# Altium PCB WhiteRHINO_0v1.PcbDoc (part 5 of 10) (continued)
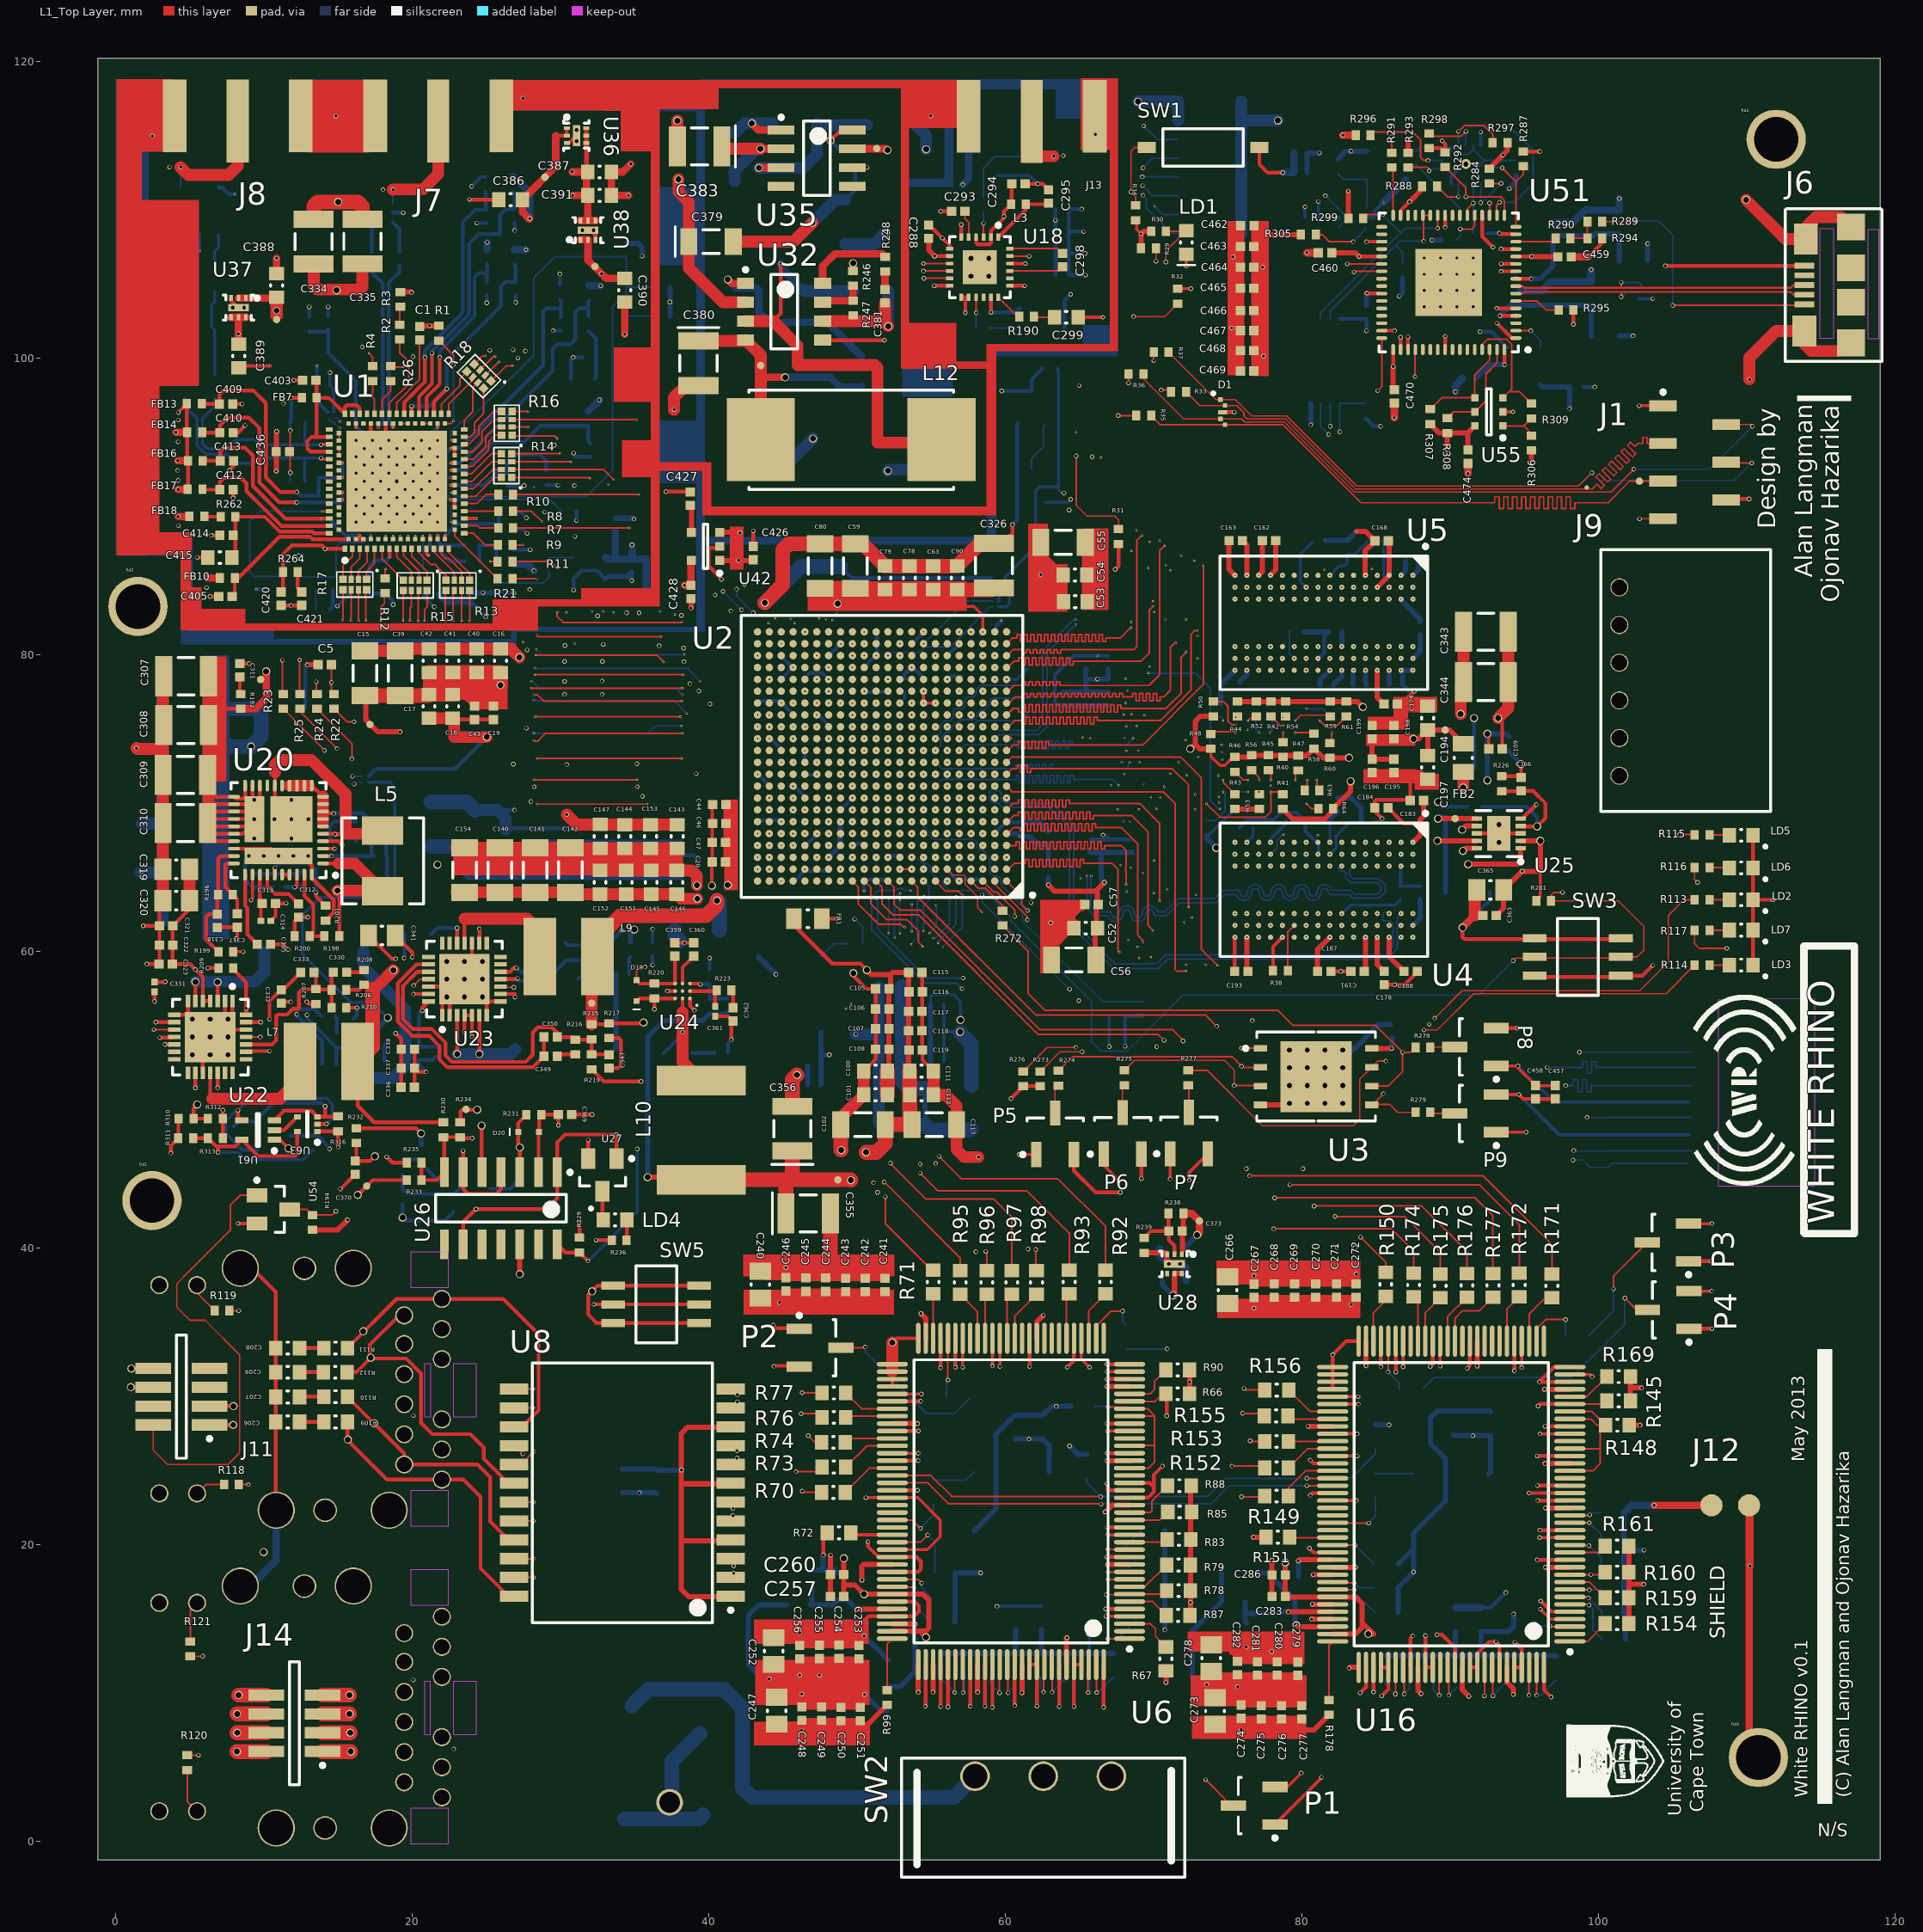
[diagram p0: L1_Top Layer view]
## Nets (pads, with @x,y where several pads share a name; then routed paths per layer and width w, separated by ;. In a path a pad name is that pad's centre, name@x,y a point inside that pad or via, vN(x,y) a via of type N, cw(c..) or ccw(c..) an arc to the next point about the centre after c; other vN are vias at no path point) (continued)
  L9_Critical w0.115: v1(51.304,68.714) 51.7,68.318 51.7,64 v1(52.15,63.55)
  L12_Bottom Layer w0.115: v1(52.15,61.2) v1(52.15,63.55)
ETH1_RXD3: R98.1 U2.A13 | length 37.9
  L1_Top Layer w0.115: U2.A13@50.504,64.714 50.95,64.268 50.95,63.175 52.005,62.12 53.375,62.12 54.17,61.326 54.17,60.575 v1(54.443,60.302) ; v2(62.075,39.875) 62.075,38.5 R98.1@62.125,38.45
  L9_Critical w0.115: v1(54.443,60.302) 54.8,59.945 54.8,59.093 55,59.093 55,58.777 54.6,58.777 54.6,58.462 55,58.462 55,58.147 54.6,58.147 54.6,57.832 55,57.832 55,57.517 54.6,57.517 54.6,57.202 55,57.202 55,56.887 54.6,56.887 54.6,56.572 55,56.572 55,56.257 54.8,56.257 54.8,45.35 56.638,43.513 60.813,43.513 62.075,42.25 v2(62.075,39.875)
ETH1_TXCLK: R70.1 U2.D6 | length 50.3
  L1_Top Layer w0.115: v2(46.318,23.583) 46.4,23.5 R70.1@47.625,23.5
  L3_Critical w0.115: v1(56.104,67.114) 56.5,66.718 56.5,63.9 v1(56.7,63.7)
  L4_Critical w0.115: v2(46.318,23.583) 46.318,28 45.843,28.475 45.843,35.293 56.075,45.525 56.075,58.95 55.43,59.595 55.43,60.48 v1(55.488,60.538)
  L12_Bottom Layer w0.115: v1(55.488,60.538) 55.488,60.613 56.7,61.825 v1(56.7,63.7)
ETH1_TXCTL: R71.1 U2.F11 | length 50
  L1_Top Layer w0.115: v2(51.925,43.425) 51.925,41.625 R71.1@55.15,38.4
  L4_Critical w0.115: v2(51.925,43.425) 52.7,44.2 52.7,45.642 52.9,45.642 52.9,45.957 52.7,45.957 52.7,46.272 52.9,46.272 52.9,46.587 52.5,46.587 52.5,46.902 52.9,46.902 52.9,47.217 52.5,47.217 52.5,47.532 52.9,47.532 52.9,47.847 52.5,47.847 52.5,48.162 52.9,48.162 52.9,48.477 52.5,48.477 52.5,48.792 52.9,48.792 52.9,49.107 52.5,49.107 52.5,49.422 52.9,49.422 52.9,49.737 52.5,49.737 52.5,50.052 52.9,50.052 52.9,50.367 52.5,50.367 52.5,50.682 52.9,50.682 52.9,50.997 52.5,50.997 52.5,51.312 52.9,51.312 52.9,51.627 52.5,51.627 52.5,51.942 52.9,51.942 52.9,52.257 52.5,52.257 52.5,52.572 52.9,52.572 52.9,52.887 52.5,52.887 52.5,53.202 52.9,53.202 52.9,53.517 52.5,53.517 52.5,53.832 52.9,53.832 52.9,54.147 52.5,54.147 52.5,54.462 52.9,54.462 52.9,54.777 52.5,54.777 52.5,55.092 52.9,55.092 52.9,55.407 52.5,55.407 52.5,55.722 52.9,55.722 52.9,56.037 52.5,56.037 52.5,56.352 52.9,56.352 52.9,56.667 52.5,56.667 52.5,56.982 52.9,56.982 52.9,57.297 52.5,57.297 52.5,57.612 52.9,57.612 52.9,57.927 52.5,57.927 52.5,58.242 52.9,58.242 52.9,58.557 52.5,58.557 52.5,58.872 52.9,58.872 52.9,59.187 52.5,59.187 52.5,59.502 52.9,59.502 52.9,59.818 52.7,59.818 52.7,60.275 52.9,60.475 v1(52.9,61.175) ; v1(52.104,68.714) 52.5,68.318 52.5,63.85 v1(52.9,63.45)
  L12_Bottom Layer w0.115: v1(52.9,61.175) v1(52.9,63.45)
ETH1_TXD0: R73.1 U2.E9 | length 50
  L1_Top Layer w0.115: v2@45.9,24.9 47.35,24.9 R73.1@47.65,25.2
  L3_Critical w0.115: v1(53.704,67.914) 54.1,67.518 54.1,64.125 v1(54.525,63.7)
  L4_Critical w0.115: v2(45.9,24.898) 45.948,24.946 45.948,27.924 45.528,28.345 45.528,35.428 53.65,43.55 53.65,57.762 53.45,57.762 53.45,58.077 53.85,58.077 53.85,58.392 53.65,58.392 v1(53.65,60.45)
  L12_Bottom Layer w0.115: v1(53.65,60.45) 54.075,60.875 54.075,63.25 v1(54.525,63.7)
ETH1_TXD1: R74.1 U2.A7 | length 50
  L1_Top Layer w0.115: v2(46.725,27.325) 47.175,26.875 R74.1@47.625,26.875 ; U2.A7@55.304,64.714 55.986,64.033 56.838,64.033 v1(57.125,63.745)
  L3_Critical w0.115: v2(46.725,27.325) 46.725,36.45 54.8,44.525 54.8,53.342 55,53.342 55,53.657 54.6,53.657 54.6,53.972 55,53.972 55,54.287 54.6,54.287 54.6,54.602 55,54.602 55,54.917 54.6,54.917 54.6,55.232 55,55.232 55,55.547 54.6,55.547 54.6,55.862 55,55.862 55,56.177 54.6,56.177 54.6,56.492 55,56.492 55,56.807 54.6,56.807 54.6,57.122 55,57.122 55,57.437 54.6,57.437 54.6,57.752 55,57.752 55,58.067 54.8,58.067 54.8,59.325 v1(55.763,60.288)
  L12_Bottom Layer w0.115: v1(55.763,60.288) 57.125,61.65 v1(57.125,63.745)
ETH1_TXD2: R76.1 U2.E10 | length 49.9
  L1_Top Layer w0.115: v2(46.25,28.8) 47.4,28.8 R76.1@47.65,28.55
  L3_Critical w0.115: v2(46.25,28.8) 45.903,29.147 45.903,36.528 52.7,43.325 52.7,55.057 52.5,55.057 52.5,55.372 52.9,55.372 52.9,55.687 52.5,55.687 52.5,56.002 52.9,56.002 52.9,56.317 52.5,56.317 52.5,56.632 52.9,56.632 52.9,56.947 52.5,56.947 52.5,57.262 52.9,57.262 52.9,57.577 52.5,57.577 52.5,57.892 52.9,57.892 52.9,58.207 52.5,58.207 52.5,58.522 52.9,58.522 52.9,58.837 52.5,58.837 52.5,59.153 52.9,59.153 52.9,59.468 52.7,59.468 52.7,60.3 53.7,61.3 v1(53.7,61.325)
  L4_Critical w0.115: v1(52.904,67.914) 53.275,67.543 53.275,63.575 v1(53.7,63.15)
  L12_Bottom Layer w0.115: v1(53.7,61.325) v1(53.7,63.15)
ETH1_TXD3: R77.1 U2.A8 | length 49.5
  L1_Top Layer w0.115: v2(46.31,30.215) 46.325,30.2 R77.1@47.65,30.2
  L3_Critical w0.115: v2(46.31,30.215) 46.31,36.49 53.675,43.855 53.675,50.142 53.875,50.142 53.875,50.457 53.475,50.457 53.475,50.772 53.875,50.772 53.875,51.087 53.475,51.087 53.475,51.402 53.875,51.402 53.875,51.717 53.475,51.717 53.475,52.032 53.875,52.032 53.875,52.347 53.475,52.347 53.475,52.662 53.875,52.662 53.875,52.977 53.475,52.977 53.475,53.292 53.875,53.292 53.875,53.607 53.475,53.607 53.475,53.922 53.875,53.922 53.875,54.237 53.475,54.237 53.475,54.552 53.875,54.552 53.875,54.867 53.475,54.867 53.475,55.182 53.875,55.182 53.875,55.497 53.475,55.497 53.475,55.812 53.875,55.812 53.875,56.127 53.475,56.127 53.475,56.442 53.875,56.442 53.875,56.757 53.475,56.757 53.475,57.072 53.875,57.072 53.875,57.387 53.475,57.387 53.475,57.702 53.875,57.702 53.875,58.017 53.675,58.017 53.675,60.005 54.502,60.832 v1(54.502,61.352)
  L12_Bottom Layer w0.115: v5(54.5,64.725) 54.858,64.367 54.858,63.377 54.505,63.025 54.505,61.801 54.502,61.798 v1(54.502,61.352)
ETH2_CLOCK_IN: R179.2 U16.86 | length 4.4
  L1_Top Layer w0.115: U16.86@82.093,21.449 82.117,21.425 v2(84.525,21.425)
  L12_Bottom Layer w0.115: v2(84.525,21.425) 84.975,21.875 R179.2@84.975,23.175
ETH2_INTERRUPT: R146.1 U16.3 | length 2.1
  L1_Top Layer w0.115: v2(96.725,14.5) 96.776,14.449 U16.3@98.093,14.449
  L12_Bottom Layer w0.115: R146.1@96,14.5 v2(96.725,14.5)
ETH2_MDIA_N: J3.10 R187.1 U16.109 | length 86.2
  L1_Top Layer w0.115: U16.109@86.843,10.975 86.925,10.893 v2(86.925,9.9)
  L3_Critical w0.1: J3.10@22.074,6.941 22.074,6.313 22.733,5.655 28.055,5.655 28.137,5.738 28.65,6.25 29.4,6.25 ccw(c29.4,6.392) 29.537,6.358 cw(c29.783,6.297) 30.029,6.358 ccw(c30.549,6.486) 31.069,6.358 cw(c31.315,6.297) 31.561,6.358 ccw(c32.081,6.486) 32.601,6.358 cw(c32.847,6.297) 33.093,6.358 ccw(c33.613,6.486) 34.133,6.358 cw(c34.379,6.297) 34.625,6.358 ccw(c35.145,6.486) 35.665,6.358 cw(c35.911,6.297) 36.157,6.358 ccw(c36.677,6.486) 37.197,6.358 cw(c37.443,6.297) 37.689,6.358 ccw(c38.209,6.486) 38.729,6.358 cw(c38.975,6.297) 39.221,6.358 ccw(c39.741,6.486) 40.261,6.358 cw(c40.507,6.297) 40.753,6.358 ccw(c41.273,6.486) 41.793,6.358 cw(c42.039,6.297) 42.285,6.358 ccw(c42.805,6.486) 43.325,6.358 cw(c43.571,6.297) 43.817,6.358 ccw(c44.337,6.486) 44.857,6.358 cw(c45.103,6.297) 45.349,6.358 ccw(c45.869,6.486) 46.389,6.358 cw(c46.635,6.297) 46.881,6.358 ccw(c47.401,6.486) 47.921,6.358 cw(c48.167,6.297) 48.413,6.358 ccw(c48.933,6.486) 49.453,6.358 cw(c49.699,6.297) 49.945,6.358 ccw(c50.465,6.486) 50.985,6.358 cw(c51.231,6.297) 51.477,6.358 ccw(c51.997,6.486) 52.517,6.358 cw(c52.763,6.297) 53.009,6.358 ccw(c53.529,6.486) 54.049,6.358 cw(c54.295,6.297) 54.541,6.358 ccw(c55.061,6.486) 55.581,6.358 cw(c55.827,6.297) 56.073,6.358 ccw(c56.593,6.486) 57.113,6.358 cw(c57.359,6.297) 57.605,6.358 ccw(c58.125,6.486) 58.645,6.358 cw(c58.891,6.297) 59.137,6.358 ccw(c59.657,6.486) 60.177,6.358 cw(c60.423,6.297) 60.669,6.358 ccw(c61.189,6.486) 61.709,6.358 cw(c61.955,6.297) 62.201,6.358 ccw(c62.721,6.486) 63.241,6.358 cw(c63.487,6.297) 63.733,6.358 ccw(c64.253,6.486) 64.773,6.358 cw(c65.019,6.297) 65.265,6.358 ccw(c65.785,6.486) 66.305,6.358 cw(c66.551,6.297) 66.797,6.358 ccw(c67.317,6.486) 67.837,6.358 cw(c68.083,6.297) 68.329,6.358 ccw(c68.849,6.486) 69.369,6.358 cw(c69.615,6.297) 69.861,6.358 ccw(c70.381,6.486) 70.901,6.358 cw(c71.147,6.297) 71.393,6.358 ccw(c71.53,6.392) 71.53,6.25 84.183,6.25 85.15,7.217 85.901,7.217 86.767,8.083 86.767,9.742 v2(86.925,9.9)
  L12_Bottom Layer w0.115: v2@86.925,9.925 87.275,10.275 R187.1@87.275,10.9
ETH2_MDIA_P: J3.11 R183.1 U16.108 | length 86.6
  L1_Top Layer w0.115: v2(86.325,9.9) 86.325,11.681 U16.108@86.343,11.699
  L3_Critical w0.1: v3(22.825,6.2) 23.087,5.938 27.937,5.938 28.533,6.533 29.302,6.533 cw(c29.783,6.297) 30.303,6.425 ccw(c30.549,6.486) 30.795,6.425 cw(c31.315,6.297) 31.835,6.425 ccw(c32.081,6.486) 32.327,6.425 cw(c32.847,6.297) 33.367,6.425 ccw(c33.613,6.486) 33.859,6.425 cw(c34.379,6.297) 34.899,6.425 ccw(c35.145,6.486) 35.391,6.425 cw(c35.911,6.297) 36.431,6.425 ccw(c36.677,6.486) 36.923,6.425 cw(c37.443,6.297) 37.963,6.425 ccw(c38.209,6.486) 38.455,6.425 cw(c38.975,6.297) 39.495,6.425 ccw(c39.741,6.486) 39.987,6.425 cw(c40.507,6.297) 41.027,6.425 ccw(c41.273,6.486) 41.519,6.425 cw(c42.039,6.297) 42.559,6.425 ccw(c42.805,6.486) 43.051,6.425 cw(c43.571,6.297) 44.091,6.425 ccw(c44.337,6.486) 44.583,6.425 cw(c45.103,6.297) 45.623,6.425 ccw(c45.869,6.486) 46.115,6.425 cw(c46.635,6.297) 47.155,6.425 ccw(c47.401,6.486) 47.647,6.425 cw(c48.167,6.297) 48.687,6.425 ccw(c48.933,6.486) 49.179,6.425 cw(c49.699,6.297) 50.219,6.425 ccw(c50.465,6.486) 50.711,6.425 cw(c51.231,6.297) 51.751,6.425 ccw(c51.997,6.486) 52.243,6.425 cw(c52.763,6.297) 53.283,6.425 ccw(c53.529,6.486) 53.775,6.425 cw(c54.295,6.297) 54.815,6.425 ccw(c55.061,6.486) 55.307,6.425 cw(c55.827,6.297) 56.347,6.425 ccw(c56.593,6.486) 56.839,6.425 cw(c57.359,6.297) 57.879,6.425 ccw(c58.125,6.486) 58.371,6.425 cw(c58.891,6.297) 59.411,6.425 ccw(c59.657,6.486) 59.903,6.425 cw(c60.423,6.297) 60.943,6.425 ccw(c61.189,6.486) 61.435,6.425 cw(c61.955,6.297) 62.475,6.425 ccw(c62.721,6.486) 62.967,6.425 cw(c63.487,6.297) 64.007,6.425 ccw(c64.253,6.486) 64.499,6.425 cw(c65.019,6.297) 65.539,6.425 ccw(c65.785,6.486) 66.031,6.425 cw(c66.551,6.297) 67.071,6.425 ccw(c67.317,6.486) 67.563,6.425 cw(c68.083,6.297) 68.603,6.425 ccw(c68.849,6.486) 69.095,6.425 cw(c69.615,6.297) 70.135,6.425 ccw(c70.381,6.486) 70.627,6.425 cw(c71.147,6.297) 71.628,6.533 84.066,6.533 85.033,7.5 85.784,7.5 86.484,8.2 86.484,9.742 v2(86.325,9.9)
  L4_Critical w0.1: J3.11@22.02,4.965 22.02,5.395 v3(22.825,6.2)
  L12_Bottom Layer w0.115: R183.1@85.65,10.9 85.65,10.575 v2(86.325,9.9)
ETH2_MDIB_N: J3.5 R186.1 U16.115 | length 85.9
  L1_Top Layer w0.115: U16.115@89.843,11.1 89.925,11.018 v2(89.925,9.825)
  L3_Critical w0.1: J3.5@19.48,5.984 19.48,6.48 19.9,6.9 20.275,6.9 20.617,6.558 20.617,4.608 20.7,4.525 21.425,3.8 23.775,3.8 24.608,2.967 28.175,2.967 ccw(c28.175,3.109) 28.312,3.075 cw(c28.558,3.014) 28.804,3.075 ccw(c29.324,3.203) 29.844,3.075 cw(c30.09,3.014) 30.336,3.075 ccw(c30.856,3.203) 31.376,3.075 cw(c31.622,3.014) 31.868,3.075 ccw(c32.005,3.109) 32.005,2.967 33.317,2.967 34.775,4.425 38.525,4.425 40.983,1.967 43.35,1.967 ccw(c43.35,2.108) 43.487,2.075 cw(c43.733,2.014) 43.979,2.075 ccw(c44.499,2.203) 45.019,2.075 cw(c45.265,2.014) 45.511,2.075 ccw(c46.031,2.203) 46.551,2.075 cw(c46.797,2.014) 47.043,2.075 ccw(c47.563,2.203) 48.083,2.075 cw(c48.329,2.014) 48.575,2.075 ccw(c49.095,2.203) 49.615,2.075 cw(c49.861,2.014) 50.107,2.075 ccw(c50.627,2.203) 51.147,2.075 cw(c51.393,2.014) 51.639,2.075 ccw(c52.159,2.203) 52.64,1.967 82.551,1.967 89.742,9.158 89.742,9.642 v2(89.925,9.825)
  L12_Bottom Layer w0.115: v2(89.925,9.825) 90.475,10.375
ETH2_MDIB_P: J3.4 R182.1 U16.114 | length 86.3
  L1_Top Layer w0.115: v2(89.275,9.825) 89.275,11.631 U16.114@89.343,11.699
  L3_Critical w0.1: J3.4@19.48,8.014 19.48,7.603 19.9,7.183 20.392,7.183 20.9,6.675 20.9,4.725 21.542,4.083 23.892,4.083 23.975,4 24.725,3.25 25.813,3.25 28.077,3.25 cw(c28.558,3.014) 29.078,3.142 ccw(c29.324,3.203) 29.57,3.142 cw(c30.09,3.014) 30.61,3.142 ccw(c30.856,3.203) 31.102,3.142 cw(c31.622,3.014) 32.103,3.25 33.2,3.25 34.575,4.625 34.658,4.708 38.642,4.708 38.725,4.625 41.1,2.25 43.252,2.25 cw(c43.733,2.014) 44.253,2.142 ccw(c44.499,2.203) 44.745,2.142 cw(c45.265,2.014) 45.785,2.142 ccw(c46.031,2.203) 46.277,2.142 cw(c46.797,2.014) 47.317,2.142 ccw(c47.563,2.203) 47.809,2.142 cw(c48.329,2.014) 48.849,2.142 ccw(c49.095,2.203) 49.341,2.142 cw(c49.861,2.014) 50.381,2.142 ccw(c50.627,2.203) 50.873,2.142 cw(c51.393,2.014) 51.913,2.142 ccw(c52.159,2.203) 52.405,2.142 cw(c52.542,2.108) 52.542,2.25 82.434,2.25 89.459,9.275 89.459,9.642 v2(89.275,9.825)
  L12_Bottom Layer w0.115: R182.1@88.875,10.85 88.875,10.175 v2@89.25,9.8
ETH2_MDIC_N: J3.2 R185.1 U16.121 | length 88.2
  L1_Top Layer w0.115: U16.121@92.843,10.8 92.9,10.743 v2(92.9,9.775)
  L3_Critical w0.1: J3.2@19.48,12.074 19.48,11.472 v3(20.101,10.851)
  L4_Critical w0.1: v3@20.101,10.868 20.318,10.868 20.95,11.5 20.95,13.525 21.425,14 23.605,14 24.463,13.142 27.108,13.142 27.662,12.587 ccw(c27.762,12.687) 27.836,12.566 cw(c27.966,12.35) 28.219,12.35 cw(c27.966,12.35) 28.183,12.219 ccw(c28.642,11.942) 28.919,11.483 cw(c29.05,11.267) 29.303,11.267 cw(c29.05,11.267) 29.266,11.136 ccw(c29.725,10.859) 30.002,10.4 cw(c30.133,10.183) 30.386,10.183 cw(c30.133,10.183) 30.35,10.052 ccw(c30.808,9.775) 31.085,9.316 cw(c31.216,9.1) 31.469,9.1 cw(c31.216,9.1) 31.433,8.969 ccw(c31.892,8.692) 32.169,8.233 cw(c32.3,8.017) 32.553,8.017 cw(c32.3,8.017) 32.516,7.886 ccw(c32.975,7.609) 33.148,7.102 33.633,6.617 34.551,6.617 ccw(c35.032,6.853) 35.552,6.725 cw(c35.798,6.664) 36.043,6.725 ccw(c36.564,6.853) 37.084,6.725 cw(c37.33,6.664) 37.575,6.725 ccw(c37.713,6.759) 37.713,6.617 90.838,6.617 92.754,8.533 92.754,9.629 v2(92.9,9.775)
  L12_Bottom Layer w0.115: v2(92.9,9.775) 92.9,9.8 R185.1@93.95,10.85
ETH2_MDIC_P: J3.3 R181.1 U16.120 | length 87.6
  L1_Top Layer w0.115: v2(92.325,9.775) U16.120@92.325,10.925
  L4_Critical w0.1: J3.3@19.48,10.044 19.48,11.03 19.7,11.25 20.3,11.25 20.667,11.617 20.667,13.642 20.75,13.725 21.308,14.283 23.722,14.283 24.58,13.425 27.225,13.425 27.793,12.857 cw(c27.966,12.35) 28.502,12.35 cw(c27.966,12.35) 28.425,12.073 ccw(c28.642,11.942) 28.773,11.725 cw(c29.05,11.267) 29.586,11.267 cw(c29.05,11.267) 29.508,10.989 ccw(c29.725,10.859) 29.856,10.642 cw(c30.133,10.183) 30.669,10.183 cw(c30.133,10.183) 30.592,9.906 ccw(c30.808,9.775) 30.939,9.559 cw(c31.216,9.1) 31.752,9.1 cw(c31.216,9.1) 31.675,8.823 ccw(c31.892,8.692) 32.022,8.475 cw(c32.3,8.017) 32.836,8.017 cw(c32.3,8.017) 32.758,7.739 ccw(c32.975,7.609) 33.106,7.392 cw(c33.179,7.271) 33.279,7.371 33.75,6.9 34.649,6.9 cw(c34.649,6.759) 34.786,6.792 ccw(c35.032,6.853) 35.278,6.792 cw(c35.798,6.664) 36.318,6.792 ccw(c36.564,6.853) 36.809,6.792 cw(c37.33,6.664) 37.811,6.9 90.721,6.9 92.471,8.65 92.471,9.629 v2(92.325,9.775)
  L12_Bottom Layer w0.115: v2(92.325,9.775) R181.1@92.325,10.85
ETH2_MDID_N: J3.9 R184.1 U16.127 | length 88.3
  L1_Top Layer w0.115: U16.127@95.843,11.175 95.85,11.168 v2(95.85,9.825)
  L4_Critical w0.1: J3.9@22.02,11.055 22.84,11.875 25.15,11.875 28.792,8.233 28.792,6.642 28.792,6.408 30.15,5.05 38.175,5.05 41.983,1.242 90.742,1.242 95.729,6.229 95.729,9.704 v2(95.85,9.825)
  L12_Bottom Layer w0.115: v2(95.85,9.825) 96.15,9.825 R184.1@97.175,10.85
ETH2_MDID_P: J3.8 R180.1 U16.126 | length 87.2
  L1_Top Layer w0.115: v2(95.325,9.825) 95.325,11.082 U16.126@95.343,11.1
  L4_Critical w0.1: J3.8@22.02,13.085 22.947,12.158 25.267,12.158 29.075,8.35 29.075,6.525 30.267,5.333 38.292,5.333 42.1,1.525 90.625,1.525 95.446,6.346 95.446,9.704 v2(95.325,9.825)
  L12_Bottom Layer w0.115: v2(95.325,9.825) 95.325,10.65 R180.1@95.525,10.85
ETH2_RGMII_SEL0: R164.1 U16.40 | length 4.2
  L1_Top Layer w0.115: U16.40@95.843,33.699 95.843,34.534 96.459,35.15 v2(97.8,35.15)
  L12_Bottom Layer w0.115: R164.1@97.75,34.05 97.8,34.1 v2(97.8,35.15)
ETH2_RGMII_SEL1: R166.1 U16.60 | length 3.6
  L1_Top Layer w0.115: v2(85.843,31.618) U16.60@85.843,33.699
  L12_Bottom Layer w0.115: v2(85.843,31.618) 86.575,30.886 R166.1@86.575,30.4
ETH2_RXCLK: R172.1 U2.B12 | length 64.8
  L1_Top Layer w0.115: v2(79.213,44.238) 91.987,44.238 94.675,41.55 R172.1@94.675,38.275
  L3_Critical w0.115: v1(51.304,65.514) 51.7,65.118 51.7,63.175 52.125,62.75 55.58,62.75 59.895,58.436 59.895,57.139 61.999,55.035 72.14,55.035 73.9,53.275 73.9,52.617 74.1,52.617 74.1,52.302 73.7,52.302 73.7,51.987 74.1,51.987 74.1,51.672 73.7,51.672 73.7,51.357 74.1,51.357 74.1,51.042 73.7,51.042 73.7,50.727 74.1,50.727 74.1,50.412 73.7,50.412 73.7,50.097 74.1,50.097 74.1,49.782 73.9,49.782 73.9,48.65 78.313,44.238 v2(79.213,44.238)
ETH2_RXCTL: R171.1 U2.C13 | length 65.1
  L1_Top Layer w0.115: v2(76.488,44.838) 92.25,44.838 96.875,40.213 R171.1@96.875,38.225
  L3_Critical w0.115: v1(50.504,66.314) 50.925,65.893 50.925,63.175 51.665,62.435 55.45,62.435 59.58,58.305 59.58,57.009 61.869,54.72 71.805,54.72 72.675,53.85 72.675,47.775 75.613,44.838 v2(76.488,44.838)
ETH2_RXD0: R174.1 U2.F14 | length 64.8
  L1_Top Layer w0.115: v2(78.125,41.275) 86.05,41.275 87.55,39.775 R174.1@87.55,38.275
  L4_Critical w0.115: v1(49.704,68.714) 50.1,68.318 50.1,63.175 51.155,62.12 55.36,62.12 59.155,58.325 59.155,56.963 61.708,54.41 70.99,54.41 71.425,53.975 71.425,53.492 71.625,53.492 71.625,53.177 71.225,53.177 71.225,52.862 71.625,52.862 71.625,52.547 71.225,52.547 71.225,52.232 71.625,52.232 71.625,51.917 71.225,51.917 71.225,51.602 71.625,51.602 71.625,51.287 71.225,51.287 71.225,50.972 71.625,50.972 71.625,50.657 71.225,50.657 71.225,50.342 71.625,50.342 71.625,50.027 71.225,50.027 71.225,49.712 71.625,49.712 71.625,49.397 71.225,49.397 71.225,49.082 71.425,49.082 71.425,47.025 77.175,41.275 v2(78.125,41.275)
ETH2_RXD1: R175.1 U2.A9 | length 65.1
  L1_Top Layer w0.115: U2.A9@53.704,64.714 54.1,64.318 54.1,63.655 62.08,55.675 73.525,55.675 v2(74.275,54.925) ; v2(82.25,42.1) 86.95,42.1 89.35,39.7 R175.1@89.35,38.225
  L9_Critical w0.115: v2(74.275,54.925) 75.025,54.175 75.025,53.743 75.225,53.743 75.225,53.428 74.825,53.428 74.825,53.112 75.225,53.112 75.225,52.797 74.825,52.797 74.825,52.482 75.225,52.482 75.225,52.167 74.825,52.167 74.825,51.852 75.225,51.852 75.225,51.537 74.825,51.537 74.825,51.222 75.025,51.222 75.025,50.907 74.825,50.907 74.825,50.592 75.025,50.592 75.025,50.277 74.825,50.277 74.825,49.962 75.225,49.962 75.225,49.647 75.025,49.647 75.025,49.325 75.359,48.991 75.218,48.85 75.44,48.627 75.582,48.768 75.723,48.91 75.946,48.687 75.663,48.404 75.886,48.181 76.027,48.323 76.169,48.464 76.391,48.241 76.109,47.959 76.331,47.736 76.473,47.877 76.614,48.019 76.837,47.796 76.696,47.654 76.554,47.513 76.777,47.29 76.918,47.432 77.06,47.573 77.282,47.35 77.141,47.209 77,47.068 77.222,46.845 77.364,46.986 77.505,47.128 77.728,46.905 77.587,46.764 77.445,46.622 77.668,46.399 77.951,46.682 78.173,46.459 78.032,46.318 77.891,46.177 78.113,45.954 78.396,46.237 78.619,46.014 78.477,45.873 78.336,45.731 78.559,45.508 78.7,45.65 78.842,45.791 79.064,45.569 78.923,45.427 78.782,45.286 79.004,45.063 79.146,45.204 79.287,45.346 79.51,45.123 79.368,44.982 79.227,44.84 79.45,44.617 79.591,44.759 79.733,44.9 79.955,44.678 79.672,44.395 79.895,44.172 80.037,44.313 80.178,44.455 80.401,44.232 80.118,43.949 80.341,43.727 80.482,43.868 80.624,44.009 80.846,43.787 80.705,43.645 80.563,43.504 80.786,43.281 80.928,43.422 v2(82.25,42.1)
ETH2_RXD2: R176.1 U2.B14 | length 65.2
  L1_Top Layer w0.115: v2(80.85,42.8) 88.1,42.8 91.15,39.75 R176.1@91.15,38.25
  L3_Critical w0.115: v1(49.704,65.514) 50.1,65.118 50.1,63.15 51.13,62.12 55.305,62.12 59.265,58.16 59.265,56.878 61.738,54.405 70.945,54.405 71.425,53.925 71.425,53.418 71.625,53.418 71.625,53.102 71.225,53.102 71.225,52.787 71.625,52.787 71.625,52.472 71.225,52.472 71.225,52.157 71.625,52.157 71.625,51.842 71.225,51.842 71.225,51.527 71.625,51.527 71.625,51.212 71.225,51.212 71.225,50.897 71.625,50.897 71.625,50.582 71.225,50.582 71.225,50.267 71.625,50.267 71.625,49.952 71.225,49.952 71.225,49.637 71.625,49.637 71.625,49.322 71.225,49.322 71.225,49.007 71.425,49.007 71.425,47 75.625,42.8 v2(80.85,42.8)
ETH2_RXD3: R177.1 U2.F13 | length 65.1
  L1_Top Layer w0.115: v2(78.175,43.35) 91.7,43.35 92.9,42.15 R177.1@92.9,38.25
  L4_Critical w0.115: v1(50.504,68.714) 50.95,68.268 50.95,63.2 51.715,62.435 55.57,62.435 59.47,58.534 59.47,57.093 61.839,54.725 71.825,54.725 72.675,53.875 72.675,53.368 72.875,53.368 72.875,53.052 72.675,53.052 72.675,47.8 77.125,43.35 v2(78.175,43.35)
ETH2_TXCLK: R149.1 U2.A12 | length 64.9
  L1_Top Layer w0.115: U2.A12@51.304,64.714 51.7,64.318 51.7,63.175 52.44,62.435 54.175,62.435 62.235,54.375 70.325,54.375 v2(70.725,53.975) ; v2(75.95,23.2) 77.45,23.2 R149.1@77.5,23.25
  L9_Critical w0.115: v2(70.725,53.975) 71.35,53.35 71.35,47.125 71.761,46.714 71.903,46.855 72.126,46.632 71.984,46.491 71.843,46.349 72.065,46.127 72.207,46.268 72.348,46.41 72.571,46.187 72.288,45.904 72.511,45.681 72.652,45.823 72.794,45.964 73.017,45.741 72.734,45.459 72.956,45.236 73.098,45.377 73.239,45.519 73.462,45.296 73.321,45.154 73.179,45.013 73.402,44.79 73.543,44.932 73.685,45.073 73.907,44.85 73.766,44.709 73.625,44.568 73.847,44.345 73.989,44.486 77.875,40.6 77.875,34.625 75.618,32.368 75.618,26.458 75.95,26.125 v2(75.95,23.2)
ETH2_TXCTL: R150.1 U2.G13 | length 64.9
  L1_Top Layer w0.115: v2(83.975,40.7) 85.675,39 R150.1@85.675,38.325
  L9_Critical w0.115: v1(50.504,69.514) 50.95,69.068 50.95,63.175 52.05,62.075 56.325,62.075 59.875,58.525 59.875,57.225 62.4,54.7 73.2,54.7 73.9,54 73.9,53.468 74.1,53.468 74.1,53.152 73.7,53.152 73.7,52.837 74.1,52.837 74.1,52.522 73.7,52.522 73.7,52.207 74.1,52.207 74.1,51.892 73.7,51.892 73.7,51.577 74.1,51.577 74.1,51.262 73.7,51.262 73.7,50.947 74.1,50.947 74.1,50.632 73.7,50.632 73.7,50.317 74.1,50.317 74.1,50.002 73.9,50.002 73.9,48.8 74.286,48.414 74.428,48.555 74.651,48.332 74.509,48.191 74.368,48.049 74.59,47.827 74.732,47.968 74.873,48.11 75.096,47.887 74.813,47.604 75.036,47.381 75.177,47.523 75.319,47.664 75.542,47.441 75.259,47.159 75.481,46.936 75.623,47.077 75.764,47.219 75.987,46.996 75.846,46.854 75.704,46.713 75.927,46.49 76.068,46.632 76.21,46.773 76.432,46.55 76.291,46.409 76.15,46.268 76.372,46.045 76.514,46.186 76.655,46.328 76.878,46.105 76.737,45.964 76.595,45.822 76.818,45.599 76.959,45.741 82,40.7 v2(83.975,40.7)
ETH2_TXD0: R152.1 U2.E8 | length 65
  L1_Top Layer w0.115: v2(75.3,25.275) 77.375,25.275 R152.1@77.5,25.15
  L3_Critical w0.115: v1(54.504,67.914) 54.9,67.518 54.9,64 60.21,58.69 60.21,57.27 62.13,55.35 73,55.35 75.025,53.325 75.025,49.35 81.475,42.9 81.475,38.275 75.3,32.1 v2(75.3,25.275)
ETH2_TXD1: R153.1 U2.A11 | length 65
  L1_Top Layer w0.115: U2.A11@52.104,64.714 52.5,64.318 52.5,63.175 52.925,62.75 54.305,62.75 62.365,54.69 71.3,54.69 72.001,53.989 v2(72.001,53.924) ; v2(76.525,26.975) 76.575,26.925 R153.1@77.5,26.925
  L9_Critical w0.115: v2(72.001,53.924) v2(72.001,53.924) 72.65,53.277 72.65,47.8 72.999,47.451 73.14,47.593 73.363,47.37 73.222,47.228 73.08,47.087 73.303,46.864 73.444,47.006 73.586,47.147 73.809,46.924 73.526,46.642 73.748,46.419 73.89,46.56 74.031,46.702 74.254,46.479 73.971,46.196 74.194,45.973 74.335,46.115 74.477,46.256 74.699,46.033 74.558,45.892 74.417,45.751 74.639,45.528 74.781,45.669 74.922,45.811 75.145,45.588 75.004,45.447 74.862,45.305 75.085,45.082 75.226,45.224 75.368,45.365 75.59,45.142 75.449,45.001 75.308,44.86 75.53,44.637 75.813,44.92 76.036,44.697 75.894,44.556 75.753,44.414 75.976,44.191 76.259,44.474 76.481,44.251 76.34,44.11 76.199,43.969 76.421,43.746 76.563,43.887 76.704,44.029 76.927,43.806 76.785,43.665 76.644,43.523 76.867,43.3 77.008,43.442 77.15,43.583 77.372,43.361 77.231,43.219 77.09,43.078 77.312,42.855 77.454,42.996 79.075,41.375 79.075,34.875 76.55,32.35 76.55,27 v2(76.525,26.975)
ETH2_TXD2: R155.1 U2.F9 | length 65
  L1_Top Layer w0.115: v2(76.025,28.825) 77.3,28.825 R155.1@77.475,28.65
  L4_Critical w0.115: v1(53.704,68.714) 54.1,68.318 54.1,63.2 54.55,62.75 55.7,62.75 59.785,58.665 59.785,57.224 61.944,55.065 72.81,55.065 73.9,53.975 73.9,48.6 74.374,48.126 74.515,48.268 74.738,48.045 74.597,47.903 74.455,47.762 74.678,47.539 74.819,47.681 74.961,47.822 75.184,47.599 74.901,47.317 75.123,47.094 75.265,47.235 75.406,47.377 75.629,47.154 75.346,46.871 75.569,46.648 75.71,46.79 75.852,46.931 76.074,46.708 75.933,46.567 75.792,46.426 76.014,46.203 76.156,46.344 80.225,42.275 80.225,36.925 75.275,31.975 75.275,29.575 v2(76.025,28.825)
ETH2_TXD3: R156.1 U2.C7 | length 64.9
  L1_Top Layer w0.115: v2(76.125,30.5) 76.225,30.4 R156.1@77.525,30.4
  L4_Critical w0.115: v1(55.304,66.314) 55.725,65.893 55.725,63.175 60.21,58.69 60.21,57.245 62.07,55.385 72.965,55.385 75.025,53.325 75.025,50.492 75.225,50.492 75.225,50.177 74.825,50.177 74.825,49.862 75.025,49.862 75.025,49.275 75.686,48.614 75.828,48.755 76.051,48.532 75.909,48.391 75.768,48.249 75.99,48.027 76.132,48.168 76.273,48.31 76.496,48.087 76.213,47.804 76.436,47.581 76.577,47.723 76.719,47.864 76.942,47.641 76.659,47.359 76.881,47.136 77.023,47.277 77.164,47.419 77.387,47.196 77.246,47.054 77.104,46.913 77.327,46.69 77.468,46.832 77.61,46.973 77.832,46.75 77.691,46.609 77.55,46.468 77.772,46.245 77.914,46.386 78.055,46.528 78.278,46.305 78.137,46.164 77.995,46.022 78.218,45.799 78.501,46.082 78.723,45.859 78.582,45.718 78.441,45.577 78.663,45.354 78.946,45.637 79.169,45.414 79.027,45.273 78.886,45.131 79.109,44.908 79.25,45.05 79.392,45.191 79.614,44.969 79.473,44.827 79.696,44.604 79.837,44.746 80.06,44.523 79.918,44.382 79.777,44.24 80,44.017 80.141,44.159 81.3,43 81.3,37.15 76.125,31.975 v2(76.125,30.5)
FB: C357.1 R222.1 R224.2 U24.C1 | length 3.6
  L1_Top Layer w0.254: U24.C1@38.75,57.8 39.4,57.8 v2(39.45,57.75)
  L12_Bottom Layer w0.254: v2(39.45,57.75) R224.2@40.075,57.75 R222.1@40.075,56.75 40.125,56.8 C357.1@41.275,56.8